# KiCad board A0180_eol_ecu_mix.kicad_pcb (continued)
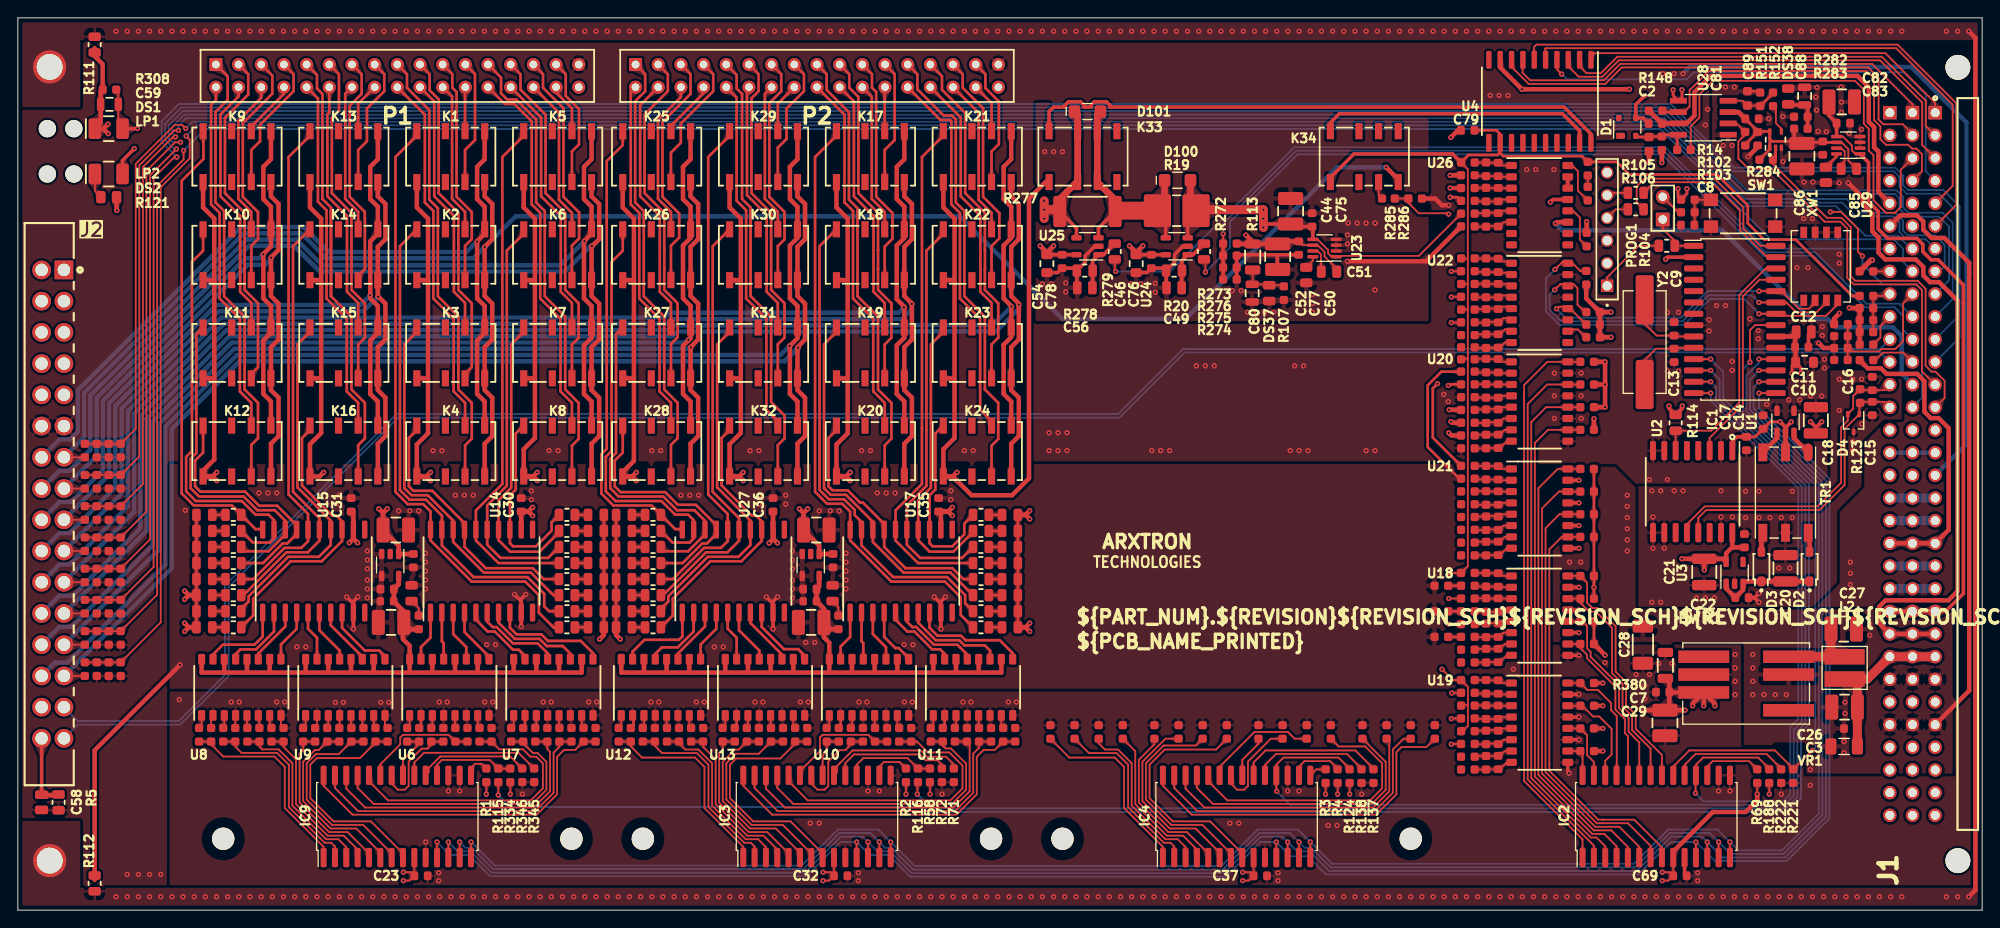
[diagram p0: board, top side]
## Routing (per net, layer and track width the routed paths; a pad name or vN(x,y) marks a point on that pad's centre or on a via; arc(x,y) is an arc through that point) (continued)
/SLOT_ID_BIT1: length 129.3
  Top w0.2: R254.1 160.57,71.61 v1(160.54,71.58)
  In1.Cu w0.2: v1(160.54,71.58) 160.54,69.92 157.57,66.95 155.48,66.95 153.51,64.98 153.51,46.5 160.98,39.03 160.98,26.98 159.2,25.2 159.2,22.65 158.22,21.67 158.22,17.81 166.83,9.2 205.68,9.2 207,7.88 213.54,7.88 215.79,10.13 215.79,12.12 J1.A31
/SLOT_ID_BIT2: length 121.6
  Top w0.2: R256.1 160.57,68.74 v1(160.54,68.71)
  In1.Cu w0.2: v1(160.54,68.71) 159.95,68.71 157.72,66.49 155.58,66.49 153.91,64.82 153.91,46.81 161.4,39.32 161.4,26.83 159.6,25.03 159.6,22.48 158.62,21.5 158.62,17.98 167,9.6 205.85,9.6 207.17,8.28 212.39,8.28 J1.A32
/SLOT_ID_BIT3: length 121
  Top w0.2: v1(160.54,65.85) 161.61,65.85
  In1.Cu w0.2: J1.B31 213.25,12.12 213.25,10.13 211.8,8.68 207.33,8.68 206.01,10 167.16,10 159.02,18.14 159.02,21.34 160,22.32 160,24.67 161.8,26.47 161.8,39.48 154.31,46.97 154.31,64.65 155.75,66.09 160.3,66.09 v1(160.54,65.85)
/SLOT_ID_BIT4: length 64.7
  Top w0.2: v1(160.6,24.33) 160.63,24.36 R180.1
  In1.Cu w0.2: J1.B32 210.66,9.09 207.48,9.09 206.18,10.4 167.33,10.4 159.48,18.24 159.48,21.24 160.4,22.15 160.4,24.13 v1(160.6,24.33)
/SLOT_ID_BIT5: length 62.7
  Top w0.2: R182.1 160.59,21.49 v1(160.55,21.46)
  In1.Cu w0.2: v1(160.55,21.46) 159.88,20.79 159.88,18.41 167.49,10.8 206.34,10.8 207.65,9.49 210.02,9.49 210.71,10.19 210.71,12.12 J1.C31
/SLOT_ID_BIT6: length 53.4
  Top w0.2: v1(160.54,18.6) 160.57,18.63 R184.1
  In1.Cu w0.2: v1(160.54,18.6) 167.94,11.2 206.51,11.2 207.3,10.41 209.44,10.41
/TRIGa: length 46.4
  Top w0.2: R150.1 192.51,88.17 U28.2 ; 193.46,86.91 193.01,86.45 193,86.45 192.7,86.15 192.7,85.25 192.7,85.24 192.7,84.22 193.82,83.1 196.4,83.1 202.35,77.15 204.12,77.15 204.89,76.38 204.89,70.85 205.61,70.14 212.6,70.14 213.25,69.49 213.25,60.38 J1.A13
Net-(C4-Pad1): length 4.1
  Top w0.2: 165.95,83.76 164.58,83.76 ; 164.55,83.79 R6.2 ; 167.6,83.45 166.26,83.45
Net-(C4-Pad2): length 4.3
  Top w0.2: 164.55,82.27 163.25,82.27 ; 165.95,82.26 164.56,82.26 ; 167.6,82.18 166.03,82.18
Net-(C5-Pad1): length 4.4
  Top w0.2: 167.6,80.91 165.98,80.91 ; 165.96,80.92 164.58,80.92 ; 164.55,80.95 163.19,80.95
Net-(C5-Pad2): length 4.2
  Top w0.2: 165.96,79.42 164.56,79.42 ; 164.55,79.43 163.22,79.43 ; 167.6,79.64 166.18,79.64
Net-(C6-Pad1): length 4.1
  Top w0.2: 165.96,78.18 164.61,78.18 ; 167.6,78.37 166.15,78.37 ; 164.55,78.12 163.22,78.12
Net-(C6-Pad2): length 4.5
  Top w0.2: 167.6,77.1 166.38,77.1 165.96,76.68 164.63,76.68 ; 164.55,76.6 163.19,76.6
Net-(C8-Pad1): length 4.6
  Top w0.2: 187.8,76.81 R103.1 R102.1 ; SW1.3 187.82,79.6
Net-(C38-Pad1): length 4.1
  Top w0.2: 165.95,37.76 164.58,37.76 ; 167.6,37.45 166.26,37.45 ; 164.55,37.79 R171.2
Net-(C38-Pad2): length 4.3
  Top w0.2: 164.55,36.27 163.25,36.27 ; 165.95,36.26 164.56,36.26 ; 167.6,36.18 166.03,36.18
Net-(C39-Pad1): length 4.4
  Top w0.2: 164.55,34.95 163.19,34.95 ; 167.6,34.91 165.98,34.91 ; 165.96,34.92 164.58,34.92
Net-(C39-Pad2): length 4.2
  Top w0.2: 164.55,33.43 163.22,33.43 ; 167.6,33.64 166.18,33.64 ; 165.96,33.42 164.56,33.42
Net-(C40-Pad1): length 4.1
  Top w0.2: 165.96,32.18 164.61,32.18 ; 167.6,32.37 166.15,32.37 ; 164.55,32.12 163.22,32.12
Net-(C40-Pad2): length 4.5
  Top w0.2: 164.55,30.6 163.19,30.6 ; 167.6,31.1 166.38,31.1 165.96,30.68 164.63,30.68
Net-(C41-Pad1): length 4.6
  Top w0.2: 164.55,29.28 163.25,29.28 ; 167.6,29.83 166.53,29.83 165.99,29.29 164.56,29.29
Net-(C41-Pad2): length 4.7
  Top w0.2: 164.58,27.79 165.99,27.79 166.76,28.56 167.6,28.56 ; 164.55,27.76 R178.2
Net-(C42-Pad1): length 4.1
  Top w0.2: 167.6,25.45 166.26,25.45 ; 165.95,25.76 164.58,25.76 ; 164.55,25.79 R179.2
Net-(C42-Pad2): length 4.3
  Top w0.2: 164.55,24.27 163.25,24.27 ; 165.95,24.26 164.56,24.26 ; 167.6,24.18 166.03,24.18
Net-(C43-Pad1): length 4.4
  Top w0.2: 165.96,22.92 164.58,22.92 ; 167.6,22.91 165.98,22.91 ; 164.55,22.95 163.19,22.95
Net-(C43-Pad2): length 4.2
  Top w0.2: 164.55,21.43 163.22,21.43 ; 165.96,21.42 164.56,21.42 ; 167.6,21.64 166.18,21.64
Net-(C45-Pad1): length 4.1
  Top w0.2: 165.96,20.18 164.61,20.18 ; 164.55,20.12 163.22,20.12 ; 167.6,20.37 166.15,20.37
Net-(C45-Pad2): length 4.5
  Top w0.2: 164.63,18.68 165.96,18.68 166.38,19.1 167.6,19.1 ; 164.55,18.6 163.19,18.6
Net-(C47-Pad1): length 4.6
  Top w0.2: 164.55,17.28 163.25,17.28 ; 167.6,17.83 166.53,17.83 165.99,17.29 164.56,17.29
Net-(C47-Pad2): length 4.7
  Top w0.2: 167.6,16.56 166.76,16.56 165.99,15.79 164.58,15.79 ; 164.55,15.76 R186.2
Net-(C48-Pad1): length 4.1
  Top w0.2: 164.55,61.79 163.16,61.79 ; 165.95,61.76 164.58,61.76 ; 167.6,61.45 166.26,61.45
Net-(C48-Pad2): length 4.3
  Top w0.2: 164.55,60.27 163.25,60.27 ; 167.6,60.18 166.03,60.18 ; 165.95,60.26 164.56,60.26
Net-(C49-Pad2): length 6.3
  Top w0.4: C49.2 130.35,71.65 ; R20.1 130.38,72.8 U24.1 131.6,73.45 R272.1
Net-(C53-Pad1): length 4.4
  Top w0.2: 164.55,58.95 163.19,58.95 ; 167.6,58.91 165.98,58.91 ; 165.96,58.92 164.58,58.92
Net-(C53-Pad2): length 4.2
  Top w0.2: 165.96,57.42 164.56,57.42 ; 167.6,57.64 166.18,57.64 ; 164.55,57.43 163.22,57.43
Net-(C55-Pad1): length 4.1
  Top w0.2: 164.55,56.12 163.22,56.12 ; 167.6,56.37 166.15,56.37 ; 165.96,56.18 164.61,56.18
Net-(C55-Pad2): length 4.5
  Top w0.2: 164.55,54.6 163.19,54.6 ; 164.63,54.68 165.96,54.68 166.38,55.1 167.6,55.1
Net-(C56-Pad2): length 6.3
  Top w0.4: 120.38,69.78 R278.1 120.38,72.8 U25.1 121.6,73.45 R279.1
Net-(C57-Pad1): length 4.6
  Top w0.2: 164.55,53.28 163.25,53.28 ; 164.56,53.29 165.99,53.29 166.53,53.83 167.6,53.83
Net-(C57-Pad2): length 4.7
  Top w0.2: 167.6,52.56 166.76,52.56 165.99,51.79 164.58,51.79 ; 164.55,51.76 R210.2
Net-(C61-Pad1): length 4.1
  Top w0.2: 167.6,49.45 166.26,49.45 ; 164.55,49.79 R211.2 ; 165.95,49.76 164.58,49.76
Net-(C61-Pad2): length 4.3
  Top w0.2: 167.6,48.18 166.03,48.18 ; 164.55,48.27 163.25,48.27 ; 165.95,48.26 164.56,48.26
Net-(C63-Pad1): length 4.4
  Top w0.2: 165.96,46.92 164.58,46.92 ; 167.6,46.91 165.98,46.91 ; 164.55,46.95 163.19,46.95
Net-(C63-Pad2): length 4.2
  Top w0.2: 164.55,45.43 163.22,45.43 ; 167.6,45.64 166.18,45.64 ; 165.96,45.42 164.56,45.42
Net-(C66-Pad1): length 4.1
  Top w0.2: 164.55,44.12 163.22,44.12 ; 165.96,44.18 164.61,44.18 ; 167.6,44.37 166.15,44.37
Net-(C66-Pad2): length 4.5
  Top w0.2: 167.6,43.1 166.38,43.1 165.96,42.68 164.63,42.68 ; 164.55,42.6 163.19,42.6
Net-(C68-Pad1): length 4.6
  Top w0.2: 164.56,41.29 165.99,41.29 166.53,41.83 167.6,41.83 ; 164.55,41.28 163.25,41.28
Net-(C68-Pad2): length 4.7
  Top w0.2: 164.55,39.76 R218.2 ; 164.58,39.79 165.99,39.79 166.76,40.56 167.6,40.56
Net-(C71-Pad1): length 4.1
  Top w0.2: 164.55,73.04 R253.2 ; 167.6,72.7 166.26,72.7 ; 165.95,73.01 164.58,73.01
Net-(C71-Pad2): length 4.3
  Top w0.2: 165.95,71.51 164.56,71.51 ; 167.6,71.43 166.03,71.43 ; 164.55,71.52 163.25,71.52
Net-(C72-Pad1): length 4.4
  Top w0.2: 165.96,70.17 164.58,70.17 ; 164.55,70.2 163.19,70.2 ; 167.6,70.16 165.98,70.16
Net-(C72-Pad2): length 4.2
  Top w0.2: 165.96,68.67 164.56,68.67 ; 167.6,68.89 166.18,68.89 ; 164.55,68.68 163.22,68.68
Net-(C73-Pad1): length 4.1
  Top w0.2: 165.96,67.43 164.61,67.43 ; 167.6,67.62 166.15,67.62 ; 164.55,67.37 163.22,67.37
Net-(C73-Pad2): length 4.5
  Top w0.2: 167.6,66.35 166.38,66.35 165.96,65.93 164.63,65.93 ; 164.55,65.85 163.19,65.85
Net-(C74-Pad1): length 4.6
  Top w0.2: 164.55,64.53 163.25,64.53 ; 164.56,64.54 165.99,64.54 166.53,65.08 167.6,65.08
Net-(C74-Pad2): length 4.7
  Top w0.2: 164.58,63.04 165.99,63.04 166.76,63.81 167.6,63.81 ; 164.55,63.01 163.16,63.01
Net-(C89-Pad2): length 5.8
  Top w0.2: U28.4 193.18,90.71 C89.2 195.07,90.18
  Top w0.3: 196.58,91.55 R151.1
Net-(D1B-C): length 6
  Top w0.3: C1.2 181.34,86.65 ; U28.8 184.32,86.9 ; R14.2 185.84,86.76 ; R149.1 182.75,86.71
Net-(D2-A): length 1.9
  Top w0.5: 200.68,40.2 200.68,42.14
Net-(D2-K): length 11.4
  Top w0.5: D2.1 C20.1 D3.1 193.5,36.84 U3.3 193.22,35.9 C22.1 191.32,36.05 191.32,36.57
Net-(D3-A): length 2
  Top w0.5: D3.2 195.28,42.14
Net-(DS1--): length 183.6
  Top w0.2: 11.25,91.72 C59.1 11.25,88.05
  Top w0.4: U26.13 171.93,79.64 v1(171.64,79.35) ; DS1.2 13.38,87.58 v1(13.4,87.6)
  In1.Cu w0.4: v1(171.64,79.35) 171.39,79.6 163.75,79.6 147.65,63.5 112.5,63.5 95.65,80.35 18.67,80.35 13.75,85.27 13.75,87.25 v1(13.4,87.6)
Net-(DS2-+): length 2.9
  Top w0.2: DS2.1 8.62,80.58 R121.1
Net-(DS2--): length 192.4
  Top w0.4: IC1.2 184.78,73.19 v1(184.55,72.95) ; v1(13.05,85.35) 11.72,84.03 DS2.2
  In1.Cu w0.4: v1(13.05,85.35) 13.05,85.05 18.35,79.75 95.4,79.75 112.25,62.9 147.9,62.9 158.68,73.67 183.82,73.67 v1(184.55,72.95)
Net-(DS3-+): length 1.5
  Top w0.3: 62.38,31.7 63.86,31.7
Net-(DS4-+): length 1.5
  Top w0.3: 62.38,33.5 63.86,33.5
Net-(DS5-+): length 1.5
  Top w0.3: 62.38,35.3 63.86,35.3
Net-(DS6-+): length 1.5
  Top w0.3: 62.38,37.1 63.86,37.1
Net-(DS7-+): length 1.5
  Top w0.3: 62.38,38.9 63.86,38.9
Net-(DS8-+): length 1.5
  Top w0.3: 62.38,40.7 63.86,40.7
Net-(DS9-+): length 1.5
  Top w0.3: 62.38,42.5 63.86,42.5
Net-(DS10-+): length 1.5
  Top w0.3: R44.2 DS10.1
Net-(DS11-+): length 1.5
  Top w0.3: DS11.1 R45.2
Net-(DS12-+): length 1.5
  Top w0.3: 21.77,42.5 23.25,42.5
Net-(DS13-+): length 1.5
  Top w0.3: 21.77,40.7 23.25,40.7
Net-(DS14-+): length 1.5
  Top w0.3: 21.77,38.9 23.25,38.9
Net-(DS15-+): length 1.5
  Top w0.3: 21.77,37.1 23.25,37.1
Net-(DS16-+): length 1.5
  Top w0.3: 21.77,35.3 23.25,35.3
Net-(DS17-+): length 1.5
  Top w0.3: 21.77,33.5 23.25,33.5
Net-(DS18-+): length 1.5
  Top w0.3: 21.77,31.7 23.25,31.7
Net-(DS19-+): length 1.5
  Top w0.3: 108.75,31.7 110.23,31.7
Net-(DS20-+): length 1.5
  Top w0.3: 108.75,33.5 110.23,33.5
Net-(DS21-+): length 1.5
  Top w0.3: 108.75,35.3 110.23,35.3
Net-(DS22-+): length 1.5
  Top w0.3: 108.75,37.1 110.23,37.1
Net-(DS23-+): length 1.5
  Top w0.3: 108.75,38.9 110.23,38.9
Net-(DS24-+): length 1.5
  Top w0.3: 108.75,40.7 110.23,40.7
Net-(DS25-+): length 1.5
  Top w0.3: 108.75,42.5 110.23,42.5
Net-(DS26-+): length 1.5
  Top w0.3: R96.2 DS26.1
Net-(DS27-+): length 1.5
  Top w0.3: DS27.1 R97.2
Net-(DS28-+): length 1.5
  Top w0.3: 68.77,42.5 70.25,42.5
Net-(DS29-+): length 1.5
  Top w0.3: 68.77,40.7 70.25,40.7
Net-(DS30-+): length 1.5
  Top w0.3: 68.77,38.9 70.25,38.9
Net-(DS31-+): length 1.5
  Top w0.3: 68.77,37.1 70.25,37.1
Net-(DS32-+): length 1.5
  Top w0.3: 68.77,35.3 70.25,35.3
Net-(DS33-+): length 1.5
  Top w0.3: 68.77,33.5 70.25,33.5
Net-(DS34-+): length 1.5
  Top w0.3: 68.77,31.7 70.25,31.7
Net-(DS35--): length 2
  Top w0.2: 44.1,34.64 44.9,33.83 R139.2
Net-(DS36--): length 1.9
  Top w0.2: 91.25,34.64 91.9,33.98 R140.2
Net-(DS37--): length 4.9
  Top w0.2: R113.1 138.3,70.2 ; DS37.2 141.66,70.03 ; C80.2 140.04,70.14
Net-(DS38--): length 4.6
  Top w0.4: R283.1 R282.2 200.46,89.9 C88.2 198.34,90.24
Net-(IC1-RB6/ICSPCLK): length 20.1
  Top w0.2: IC1.27 195.91,73.19 192.86,76.23 192.86,78.42 189.7,81.58 183.27,81.58 R105.2
Net-(IC1-RB7/ICSPDAT): length 23.3
  Top w0.2: R106.2 181.31,79.32 181.31,81.11 182.18,81.97 190.03,81.97 193.26,78.74 193.26,76.4 195.2,74.45 IC1.28
Net-(JP1-B): length 2.5
  Top w0.2: 185.96,78.21 JP1.2
Net-(K34-Pad3): length 2
  Top w0.2: K34.3 152.4,80.14 R285.2
Net-(PWR1-+Vin_(Vcc)): length 8.7
  Top w1: L2.2 PWR1.1 ; 203.07,31.31 203.07,28.88
Net-(R21-Pad2): length 1.5
  Top w0.2: 43.88,22.18 43.88,20.7
Net-(R22-Pad2): length 1.6
  Top w0.2: 46.42,22.18 46.42,20.54
Net-(R23-Pad2): length 1.7
  Top w0.2: 48.96,22.18 48.96,20.46
Net-(R24-Pad2): length 1.6
  Top w0.2: 51.5,22.18 51.5,20.62
Net-(R25-Pad2): length 1.5
  Top w0.2: 55.53,22.18 55.53,20.7
Net-(R26-Pad2): length 1.6
  Top w0.2: 58.07,22.18 58.07,20.54
Net-(R27-Pad2): length 1.7
  Top w0.2: 60.61,22.18 60.61,20.46
Net-(R28-Pad2): length 1.6
  Top w0.2: 63.15,22.18 63.15,20.62
Net-(R29-Pad2): length 1.5
  Top w0.2: 20.58,22.18 20.58,20.7
Net-(R30-Pad2): length 1.6
  Top w0.2: 23.12,22.18 23.12,20.54
Net-(R31-Pad2): length 1.7
  Top w0.2: 25.66,22.18 25.66,20.46
Net-(R32-Pad2): length 1.6
  Top w0.2: 28.2,22.18 28.2,20.62
Net-(R33-Pad2): length 1.5
  Top w0.2: 32.23,22.18 32.23,20.7
Net-(R34-Pad2): length 1.6
  Top w0.2: 34.77,22.18 34.77,20.54
Net-(R35-Pad2): length 1.7
  Top w0.2: 37.31,22.18 37.31,20.46
Net-(R36-Pad2): length 1.6
  Top w0.2: 39.85,22.18 39.85,20.62
Net-(R73-Pad2): length 1.5
  Top w0.2: 90.88,22.18 90.88,20.7
Net-(R74-Pad2): length 1.6
  Top w0.2: 93.42,22.18 93.42,20.54
Net-(R75-Pad2): length 1.7
  Top w0.2: 95.96,22.18 95.96,20.46
Net-(R76-Pad2): length 1.6
  Top w0.2: 98.5,22.18 98.5,20.62
Net-(R77-Pad2): length 1.5
  Top w0.2: 102.53,22.18 102.53,20.7
Net-(R78-Pad2): length 1.6
  Top w0.2: 105.07,22.18 105.07,20.54
Net-(R79-Pad2): length 1.7
  Top w0.2: 107.61,22.18 107.61,20.46
Net-(R80-Pad2): length 1.6
  Top w0.2: 110.15,22.18 110.15,20.62
Net-(R81-Pad2): length 1.5
  Top w0.2: 67.58,22.18 67.58,20.7
Net-(R82-Pad2): length 1.6
  Top w0.2: 70.12,22.18 70.12,20.54
Net-(R83-Pad2): length 1.7
  Top w0.2: 72.66,22.18 72.66,20.46
Net-(R84-Pad2): length 1.6
  Top w0.2: 75.2,22.18 75.2,20.62
Net-(R85-Pad2): length 1.5
  Top w0.2: 79.23,22.18 79.23,20.7
Net-(R86-Pad2): length 1.6
  Top w0.2: 81.77,22.18 81.77,20.54
Net-(R87-Pad2): length 1.7
  Top w0.2: 84.31,22.18 84.31,20.46
Net-(R88-Pad2): length 1.6
  Top w0.2: 86.85,22.18 86.85,20.62
Net-(R146-Pad1): length 5.1
  Top w0.2: R146.1 174.72,80.64 174.72,82.82 174.1,83.45 U26.16
Net-(R146-Pad2): length 1.3
  Top w0.2: R146.2 R147.1
Net-(R156-Pad1): length 5.2
  Top w0.2: R156.1 174.94,75.16 174.94,77.62 174.19,78.37 U26.12
Net-(R268-Pad2): length 2.4
  Top w0.2: 173.59,65.08 174.72,65.08 175.6,64.2
Net-(U1-D1): length 2.9
  Top w0.5: TR1.3 197.03,52.89 U1.1
Net-(U1-D2): length 2.9
  Top w0.5: U1.3 198.93,52.89 TR1.1
Net-(U4-1C): length 66.9
  Top w0.4: U4.20 176.19,87 173.18,90 122.3,90 122.3,90.23 121.92,90.6 120.57,90.6 120.19,90.23 120.19,90 119.4,90 119.4,90.23 119.02,90.6 117.67,90.6 117.29,90.23 117.29,90 116,90 115.5,89.5 115.5,87.3
Net-(U4-2C): length 31.4
  Top w0.4: K34.8 147,88.25 148,89.25 173,89.25 174.91,87.34 U4.19
Net-(U23-ADJ): length 3
  Top w0.2: U23.7 145.57,73.88 145.95,73.49 145.95,71.58
Net-(U23-REF/BYP): length 1.5
  Top w0.2: 145.04,73.22 145.04,72.78 C50.2
Net-(U26-Pad14): length 1.3
  Top w0.4: U26.15 U26.14
Net-(U29-ADJ): length 2.7
  Top w0.2: U29.7 204.23,85.4 204.61,85.02 204.61,83.94 204.21,83.53
Net-(U29-REF/BYP): length 2
  Top w0.3: U29.8 203.7,84.47 C84.2
Net-(U30-Y): length 3.2
  Top w0.2: U30.4 197.52,87.58 196.9,88.2 196.9,89.71 196.58,90.03

## Copper pours and planes (outline as drawn; the poured copper is in the pictures)
/3V3 on In2.Cu: 17,24.5 162,24.5 162,29.75 193,29.75 193,18.5 200,18.5 200,15 217,15 217,34 201,34 203.75,36.75 203.75,44.75 201,47.5 181.5,47.5 179,50 162,50 162,86 220,86 220,2.75 17,2.75
/24V_PWR on In2.Cu: 17,50 179,50 181.5,47.5 181.5,34 217,34 217,15 200,15 200,18.5 193,18.5 193,29.75 162,29.75 162,24.5 17,24.5
/CAN/5V_ISO on In2.Cu: 201,47.5 181.5,47.5 181.5,34 201,34 203.75,36.75 203.75,44.75
GND_3V3 on Top, Bottom, In1.Cu: 17,24.5 162,24.5 162,29.75 193,29.75 193,18.5 200,18.5 200,15 217,15 217,34 201,34 203.75,36.75 203.75,44.75 206.5,47.5 206.5,52.5 209,55 211,55 211,60.5 203,60.5 203,48.5 202,47.5 181.5,47.5 179,50 162,50 162,86 220,86 220,2.75 17,2.75
GND_24V on Top, Bottom, In1.Cu: 17,50 179,50 181.5,47.5 181.5,34 217,34 217,15 200,15 200,18.5 193,18.5 193,29.75 162,29.75 162,24.5 17,24.5
GND_CAN on Top, Bottom, In1.Cu: 211,60.5 203,60.5 203,48.5 202,47.5 181.5,47.5 181.5,34 201,34 203.75,36.75 203.75,44.75 206.5,47.5 206.5,52.5 209,55 211,55
GND_ESD on Top, Bottom, In1.Cu, In2.Cu: 7,97.5 220,97.5 220,100 0,100 0,90 7,90
GND_ESD on Top, Bottom, In1.Cu, In2.Cu: 7,2.5 220,2.5 220,0 0,0 0,10 7,10
GND_PS on Top, Bottom, In1.Cu: 220,100 0,100 0,0 220,0
GND_SIM on Top, Bottom, In1.Cu: 207.75,92.75 207.75,80.75 193.75,80.75 189.75,84.75 189.75,92.75
/DUT_PWR on In2.Cu: 220,100 0,100 0,0 220,0
/PS+ on In2.Cu: 114,90.5 114,66 158,66 158,90.5
/PS- on Top, Bottom, In1.Cu: 114,90.5 114,66 158,66 158,90.5

Small or netless copper shapes (teardrops, artwork), in the pictures only: 2127 on Top, 135 on Bottom, 58 on In1.Cu, 39 on In2.Cu
